# Altium PCB LimeNet-Micro_2v1.PcbDoc (part 6 of 11) (continued)
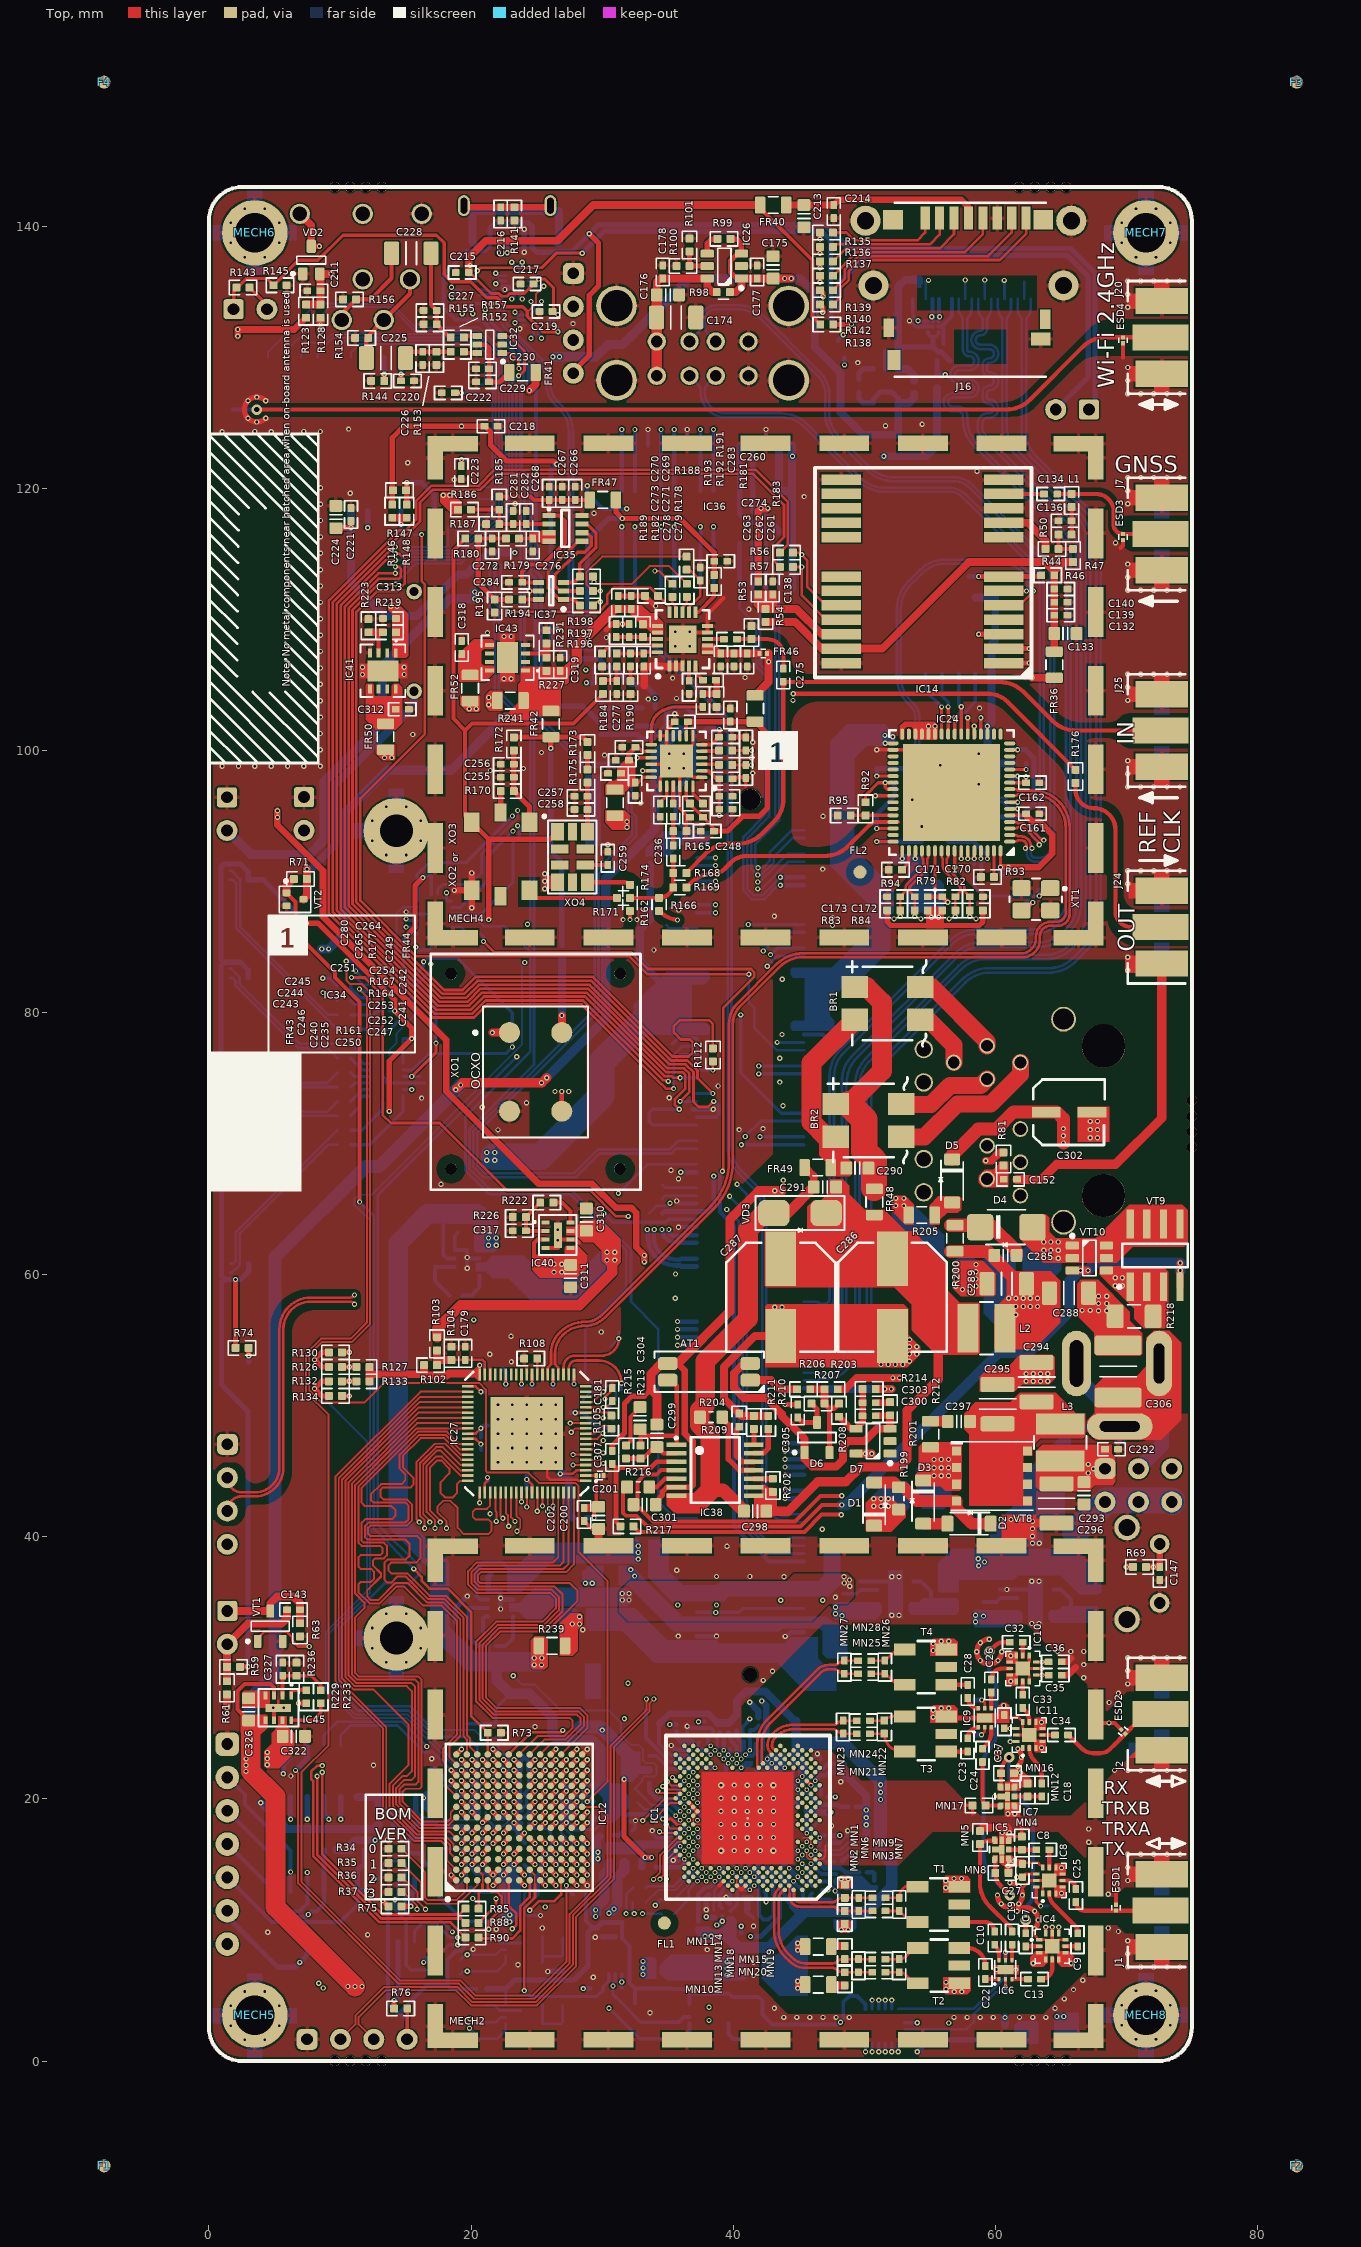
[diagram p0: Top view]
## Nets (pads, with @x,y where several pads share a name; then routed paths per layer and width w, separated by ;. In a path a pad name is that pad's centre, name@x,y a point inside that pad or via, vN(x,y) a via of type N, cw(c..) or ccw(c..) an arc to the next point about the centre after c; other vN are vias at no path point) (continued)
  other v2: 44.937,14.719 43.938,22.378 40.275,22.711 42.939,22.711 42.606,23.044 39.609,23.377
  other v3: 22.05,45.675 23.15,45.675 24.25,45.675 25.35,45.675 26.45,45.675 22.05,46.775 23.15,46.775 24.25,46.775 25.35,46.775 26.45,46.775 22.05,47.875 23.15,47.875 24.25,47.875 25.35,47.875 26.45,47.875 22.05,48.975 23.15,48.975 24.25,48.975 25.35,48.975 26.45,48.975 22.05,50.075 23.15,50.075 24.25,50.075 25.35,50.075 26.45,50.075
  other v4: 39.072,16.054 43.072,16.054 43.072,21.054 35.125,98.65 36.225,98.65 35.588,107.95 36.688,107.95 35.588,109.05 36.688,109.05
  other v6: 22.25,34.49 19.7,60.49 19.7,61.31
  other v7: 4.89,26.95 5.71,26.95 26.622,63.435
"GNSS _UART_TX": IC12.D8 IC14.20 R39.2 R56.2 | length 159.5
  Top w0.2: R56.2@44.565,115.1 45.075,115.1 v1(45.225,114.95) 45.65,114.525 45.65,112.525 47.1,111.075 IC14.20@48.253,111.075
  Top w0.4: v1(20.872,19.794) IC12.D8@21.272,19.394
  L4 w0.1: v1(23.475,76.625) 23.647,76.797 23.647,82.031 26.125,84.509 26.125,87.225 32.25,93.35 32.25,94.744 31.75,95.244 31.75,105.716 31.925,105.891 31.925,113.395 28.725,116.595 28.725,119.083 29.35,119.708 29.35,121.258 29.375,121.283 29.375,121.3 30.225,122.15 30.225,124.408 31.16,125.343 38.849,125.343 40.475,123.717 40.475,119.033 44.558,114.95 v1(45.225,114.95)
  Bottom w0.15: 17.15,25.25 20.266,25.25 R39.2@20.772,24.744 21.272,24.244 21.272,22.019 21.522,21.769 21.897,21.769 22.072,21.594 22.072,20.422 21.852,20.202 21.55,20.202 21.142,19.794 v1(20.872,19.794)
  Bottom w0.2: 17.15,25.25 15.325,27.075 11.525,27.075 10,28.6 10,33.063 13.387,36.45 15.35,36.45 16.1,37.2 16.1,37.725 12.875,40.95 12.875,66.025 v1(23.475,76.625)
GNSS_RF_IN: C134.1 ESD3.1 J7.1 L1.1 | length 10
  Top w0.325: C134.1@64.728,119.575 L1.1@65.828,119.575 67.697,119.575 cw(c67.697,118.241) 69.031,118.241 69.031,117.244 ccw(c69.75,117.244) ESD3.1@69.75,116.525 J7.1@72.6,116.525
GNSS_TPULSE: IC12.J10 IC14.3 | length 145.7
  Top w0.4: IC12.J10@25.272,20.994 v1(25.672,21.394) ; v1(58.725,108.875) IC14.3@60.653,108.875
  L3 w0.1: v1(28.75,106.15) 29.45,106.85 29.45,111.445 29.73,111.725 31.45,111.725 33.8,114.075 34.325,114.075 42.387,106.013 44.536,106.013 45.904,104.644 54.031,104.644 57.175,101.5 58.545,101.5 59.45,102.405 59.45,108.15 v1(58.725,108.875)
  L4 w0.1: v1(25.672,21.394) 26.028,21.75 26.523,21.75 26.872,22.099 26.872,24.274 30.916,28.318 30.916,52.041 31.85,52.975 31.85,62.575 30.475,63.95 30.475,66.959 26.775,70.659 26.775,71.7 22.732,75.743 22.732,81.399 25.925,84.592 25.925,87.392 26.311,87.779 26.636,88.103 26.636,102.311 29.15,104.825 29.15,105.75 v1(28.75,106.15)
GNSS_UART_RX: IC12.L12 IC14.21 R57.1 | length 142.2
  Top w0.2: R57.1@44.565,114 v1(45.225,114) 45.225,111.85 47.1,109.975 IC14.21@48.253,109.975
  Top w0.4: IC12.L12@26.872,22.594 v1(27.272,22.994)
  L4 w0.1: v1(27.272,22.994) 27.272,24.14 31.116,27.984 31.116,31.571 31.116,51.941 32.05,52.875 32.05,62.684 30.675,64.059 30.675,67.042 26.975,70.742 26.975,71.859 23.847,74.987 23.847,81.948 26.325,84.426 26.325,87.142 32.45,93.267 32.45,94.826 31.95,95.326 31.95,105.633 32.125,105.808 32.125,113.478 28.925,116.678 28.925,119 29.55,119.625 29.55,121.175 30.425,122.05 30.425,124.325 31.243,125.143 38.766,125.143 40.275,123.634 40.275,118.95 v1(45.225,114)
GNSS_USB_D_N: IC14.5 R96.2 | length 34.6
  Top w0.2: IC14.5@60.653,111.075 61.847,111.075 62.9,112.128 v1(62.9,112.175)
  Bottom w0.2: R96.2@58.825,95.7 58.637,95.888 ccw(c58.125,95.376) 58.125,96.1 cw(c58.125,98.09) 56.718,96.683 54.43,98.971 cw(c55.709,100.25) 53.9,100.25 53.9,102.495 ccw(c52.62,102.495) 53.525,103.4 53.332,103.593 cw(c55.34,105.601) 52.5,105.601 52.5,110.848 cw(c55.34,110.848) 53.332,112.856 54.288,113.812 cw(c56.069,112.031) 56.069,114.55 60.65,114.55 cw(c60.65,112.439) 62.142,113.932 62.387,113.687 cw(c61.413,112.713) 62.791,112.713 62.791,112.439 ccw(c63.164,112.439) v1(62.9,112.175)
GNSS_USB_D_P: IC14.6 R97.2 | length 32.2
  Top w0.2: IC14.6@60.653,112.175 v1(62.381,112.175)
  Bottom w0.2: R97.2@58.825,96.8 58.637,96.612 cw(c58.125,97.124) 58.125,96.4 cw(c58.125,98.09) 56.93,96.895 54.642,99.183 cw(c55.709,100.25) 54.2,100.25 54.2,102.495 ccw(c52.62,102.495) 53.737,103.612 53.544,103.805 cw(c55.34,105.601) 52.8,105.601 52.8,110.848 cw(c55.34,110.848) 53.544,112.644 54.5,113.6 cw(c56.069,112.031) 56.069,114.25 60.65,114.25 cw(c60.65,112.439) 61.93,113.72 62.175,113.475 cw(c61.413,112.713) 62.491,112.713 62.491,112.439 cw(c62.117,112.439) v1(62.381,112.175)
GNSS_USB_VDD: IC14.7 R46.1 R49.1 | length 5.5
  Top w0.4: v1(58.725,113.275) IC14.7@60.653,113.275 R46.1@63.5,113.275
  Bottom w0.4: R49.1@57.975,113.275 v1(58.725,113.275)
GNSS_VCC_RF: IC14.9 R44.2 | length 4.4
  Top w0.6: IC14.9@60.653,117.375 62.487,117.375 63.828,116.034 R44.2@63.828,115.375
HDMI_CEC: J13.171 R150.2 VT7.S | length 105.8
  L4 w0.1: v1(40.3,66.9) 40.3,67.217 43.112,70.029 43.112,76.471 39.962,79.621 39.962,88.379 40.362,88.779 40.362,95.571 39.787,96.146 39.787,100.504 40.362,101.079 40.362,105.717 48.787,114.142 48.787,124.154 53.308,128.675 v1(56.175,128.675)
  Bottom w0.2: v1(40.3,66.9) 41.025,66.175 41.025,41.25 42.5,39.775 44.075,39.775 44.225,39.925 J13.171@45.4,39.925
  Bottom w0.4: VT7.S@55.56,129.735 R150.2@55.56,128.675 v1(56.175,128.675)
HDMI_CEC_C: J19.13 VD1.A2 VT7.D | length 4.1
  Bottom w0.3: VD1.A2@55.65,132.35 55.9,132.35 ; VT7.D@56.05,131.025 56.05,131.075 56.05,132.2 55.9,132.35 ; J19.13@56.7,134.45 56.7,133.15 55.9,132.35
HDMI_CLK_N: J13.111 J19.12 | length 98.6
  Bottom w0.2: J13.111@45.4,57.925 46.316,57.925 cw(c46.316,57.481) 46.63,57.795 46.972,57.795 ccw(c46.972,58.173) 47.35,58.173 47.35,75.138 cw(c50.23,75.138) 48.194,77.174 56.516,85.496 cw(c58.552,83.46) 58.552,86.34 62.888,86.34 ccw(c62.888,88.88) 64.684,87.084 64.9,87.3 ccw(c63.693,88.507) 65.4,88.507 65.4,115.148 ccw(c62.86,115.148) 64.656,116.944 58.374,123.226 cw(c60.41,125.263) 58.372,123.228 cw(c60.41,125.263) 57.53,125.263 57.53,125.533 ccw(c57.176,125.533) 57.176,125.887 56.754,125.887 cw(c56.754,126.581) 56.754,127.275 58.036,127.275 ccw(c58.036,127.629) 58.39,127.629 ccw(c58.036,127.629) 58.036,127.983 57.269,127.983 cw(c57.269,128.677) 57.269,129.371 58.036,129.371 ccw(c58.036,129.725) 58.39,129.725 ccw(c58.036,129.725) 58.036,130.079 cw(c58.036,130.585) 57.53,130.585 57.53,132.97 cw(c58.327,133.767) 57.2,133.767 J19.12@57.2,134.45
HDMI_CLK_P: J13.113 J19.10 | length 99.1
  Bottom w0.2: J13.113@45.4,57.325 46.316,57.325 ccw(c46.316,57.769) 46.63,57.455 46.972,57.455 ccw(c46.972,58.173) 47.69,58.173 47.69,75.138 cw(c50.23,75.138) 48.434,76.934 56.756,85.256 cw(c58.552,83.46) 58.552,86 62.888,86 ccw(c62.888,88.88) 64.924,86.844 65.14,87.06 ccw(c63.693,88.507) 65.74,88.507 65.74,115.148 ccw(c62.86,115.148) 64.896,117.184 58.614,123.467 cw(c60.41,125.263) 57.87,125.263 57.87,125.533 ccw(c57.176,125.533) 57.176,126.227 56.754,126.227 cw(c56.754,126.581) 56.754,126.935 58.036,126.935 ccw(c58.036,127.629) 58.73,127.629 ccw(c58.036,127.629) 58.036,128.323 57.269,128.323 cw(c57.269,128.677) 57.269,129.031 58.036,129.031 ccw(c58.036,129.725) 58.73,129.725 ccw(c58.036,129.725) 58.036,130.419 cw(c58.036,130.585) 57.87,130.585 57.87,132.97 ccw(c57.073,133.767) 58.2,133.767 J19.10@58.2,134.45
HDMI_D0_N: J13.117 J19.9 | length 99.2
  Bottom w0.2: J13.117@45.4,56.125 46.316,56.125 cw(c46.316,55.681) 46.63,55.995 46.972,55.995 ccw(c46.972,57.323) 48.3,57.323 48.3,74.848 cw(c50.84,74.848) 49.044,76.644 56.921,84.521 cw(c58.958,82.485) 58.958,85.365 63.338,85.365 ccw(c63.338,87.905) 65.134,86.109 65.456,86.431 ccw(c63.66,88.227) 66.2,88.227 66.2,115.621 ccw(c63.66,115.621) 65.456,117.417 58.952,123.921 cw(c59.655,124.625) 58.66,124.625 58.66,124.925 cw(c59.468,124.925) 59.468,125.733 59.536,125.733 ccw(c59.536,126.087) 59.89,126.087 ccw(c59.536,126.087) 59.536,126.441 cw(c59.536,126.947) 59.03,126.947 59.03,127.323 cw(c59.536,127.323) 59.536,127.829 ccw(c59.536,128.183) 59.89,128.183 ccw(c59.536,128.183) 59.536,128.537 cw(c59.536,129.043) 59.03,129.043 59.03,129.419 cw(c59.536,129.419) 59.536,129.925 ccw(c59.536,130.279) 59.89,130.279 ccw(c59.536,130.279) 59.536,130.633 58.864,130.633 cw(c58.864,131.327) 58.864,132.021 ccw(c58.864,132.187) 59.03,132.187 59.03,132.97 cw(c59.827,133.767) 58.7,133.767 J19.9@58.7,134.45
HDMI_D0_P: J13.119 J19.7 | length 99.7
  Bottom w0.2: J13.119@45.4,55.525 46.316,55.525 ccw(c46.316,55.969) 46.63,55.655 46.972,55.655 ccw(c46.972,57.323) 48.64,57.323 48.64,74.566 cw(c51.52,74.566) 49.484,76.603 57.162,84.281 cw(c58.958,82.485) 58.958,85.025 63.338,85.025 ccw(c63.338,87.905) 65.374,85.869 65.696,86.191 ccw(c63.66,88.227) 66.54,88.227 66.54,115.621 ccw(c63.66,115.621) 65.696,117.657 59.192,124.162 cw(c59.655,124.625) 59,124.625 59,124.925 cw(c59.468,124.925) 59.468,125.393 59.536,125.393 ccw(c59.536,126.087) 60.23,126.087 ccw(c59.536,126.087) 59.536,126.781 cw(c59.536,126.947) 59.37,126.947 59.37,127.323 cw(c59.536,127.323) 59.536,127.489 ccw(c59.536,128.183) 60.23,128.183 ccw(c59.536,128.183) 59.536,128.877 cw(c59.536,129.043) 59.37,129.043 59.37,129.419 cw(c59.536,129.419) 59.536,129.585 ccw(c59.536,130.279) 60.23,130.279 ccw(c59.536,130.279) 59.536,130.973 58.864,130.973 cw(c58.864,131.327) 58.864,131.681 ccw(c58.864,132.187) 59.37,132.187 59.37,132.97 ccw(c58.573,133.767) 59.7,133.767 J19.7@59.7,134.45
HDMI_D1_N: J13.123 J19.6 | length 96.5
  Bottom w0.2: J13.123@45.4,54.325 46.316,54.325 cw(c46.316,53.881) 46.63,54.195 46.972,54.195 ccw(c46.972,56.523) 49.3,56.523 49.3,74.488 cw(c52.18,74.488) 50.142,76.523 cw(c52.18,74.488) 50.144,76.524 57.191,83.571 cw(c59.227,81.535) 59.227,84.415 63.859,84.415 ccw(c63.859,86.955) 65.655,85.159 66.156,85.66 ccw(c64.36,87.456) 66.9,87.456 66.9,116.148 ccw(c64.36,116.148) 66.156,117.944 61.374,122.726 cw(c63.41,124.763) 60.53,124.763 60.53,132.97 cw(c61.327,133.767) 60.2,133.767 J19.6@60.2,134.45
HDMI_D1_P: J13.125 J19.4 | length 97.1
  Bottom w0.2: J13.125@45.4,53.725 46.316,53.725 ccw(c46.316,54.169) 46.63,53.855 46.972,53.855 ccw(c46.972,56.523) 49.64,56.523 49.64,74.488 cw(c52.18,74.488) 50.384,76.284 57.431,83.331 cw(c59.227,81.535) 59.227,84.075 63.859,84.075 ccw(c63.859,86.955) 65.896,84.919 66.396,85.419 ccw(c64.36,87.456) 67.24,87.456 67.24,116.148 ccw(c64.36,116.148) 66.396,118.184 61.614,122.967 cw(c63.41,124.763) 60.87,124.763 60.87,132.97 ccw(c60.073,133.767) 61.2,133.767 J19.4@61.2,134.45
HDMI_D2_N: J13.129 J19.3 | length 98.3
  Bottom w0.2: J13.129@45.4,52.525 46.316,52.525 cw(c46.316,52.081) 46.63,52.395 47,52.395 ccw(c47,54.402) 48.419,52.983 49.442,54.006 ccw(c47.646,55.802) 50.186,55.802 50.186,74.049 cw(c53.066,74.049) 51.029,76.085 57.491,82.546 cw(c59.527,80.51) 59.527,83.39 64.088,83.39 ccw(c64.088,85.93) 65.884,84.134 66.956,85.206 ccw(c65.16,87.002) 67.7,87.002 67.7,116.348 ccw(c65.16,116.348) 66.956,118.144 62.874,122.226 cw(c64.91,124.263) 62.03,124.263 62.03,132.97 cw(c62.827,133.767) 61.7,133.767 J19.3@61.7,134.45
HDMI_D2_P: J13.131 J19.1 | length 98.8
  Bottom w0.2: J13.131@45.4,51.925 46.316,51.925 ccw(c46.316,52.369) 46.63,52.055 47.141,52.055 ccw(c47.141,54.062) 48.56,52.643 49.682,53.765 ccw(c47.646,55.802) 50.526,55.802 50.526,74.049 cw(c53.066,74.049) 51.27,75.845 57.731,82.306 cw(c59.527,80.51) 59.527,83.05 64.088,83.05 ccw(c64.088,85.93) 66.124,83.894 67.196,84.966 ccw(c65.16,87.002) 68.04,87.002 68.04,116.348 ccw(c65.16,116.348) 67.196,118.384 63.114,122.467 cw(c64.91,124.263) 62.37,124.263 62.37,132.97 ccw(c61.573,133.767) 62.7,133.767 J19.1@62.7,134.45
HDMI_HPD: J19.19 VD1.C3 VT6.G | length 9.4
  L3 w0.3: v1(48.405,131.725) 53.025,131.725 v1(54.1,132.8)
  Bottom w0.3: VT6.G@48.003,131.233 48.003,131.323 v1(48.405,131.725) ; J19.19@53.7,134.45 53.7,133.2 54.15,132.75 VD1.C3@54.85,132.75
HDMI_HPD_N: J13.88 R151.2 VT6.D | length 73.5
  L4 w0.1: v1(38.525,67.525) 38.525,69.775 39.35,70.6 39.35,88.642 39.75,89.042 39.75,95.298 39.175,95.873 39.175,100.764 39.75,101.339 39.75,105.992 48.175,114.417 48.175,129.107 v1(48.493,129.425)
  Bottom w0.35: R151.2@34.575,64.675 34.725,64.825 J13.88@37.2,64.825 38.175,64.825 38.525,65.175 v1(38.525,67.525)
  Bottom w0.4: v1(48.493,129.425) VT6.D@48.493,129.943
HDMI_I2C_SCL: J13.175 J19.15 VD1.A3 | length 110.9
  L4 w0.1: v1(39.5,64.975) 39.375,65.1 39.375,66.875 42.7,70.2 42.7,76.3 39.55,79.45 39.55,88.55 39.95,88.95 39.95,95.4 39.375,95.975 39.375,100.675 39.95,101.25 39.95,105.888 48.375,114.313 48.375,124.325 54.8,130.75 54.8,133.245 55.005,133.45 55.4,133.45 v1(55.75,133.1)
  Bottom w0.2: v1(39.5,64.975) 40.425,64.05 40.425,41.001 42.701,38.725 J13.175@45.4,38.725
  Bottom w0.3: VD1.A3@55.65,132.75 55.65,133.2 v1@55.7,133.25 ; 55.7,133.3 J19.15@55.7,134.45
HDMI_I2C_SDA: J13.173 J19.16 VD1.B3 | length 109
  L4 w0.1: v1(39.725,65.98) 39.725,66.925 42.912,70.112 42.912,76.388 39.762,79.538 39.762,88.462 40.162,88.862 40.162,95.488 39.587,96.063 39.587,100.587 40.162,101.162 40.162,105.8 48.587,114.225 48.587,124.237 55.15,130.8 v1(55.15,133.1)
  Bottom w0.2: v1(39.725,65.98) 40.725,64.98 40.725,41.126 42.526,39.325 J13.173@45.4,39.325
  Bottom w0.3: v1@55.2,133.25 55.25,133.2 VD1.B3@55.25,132.75 ; 55.2,133.3 J19.16@55.2,134.45
LM75_OS: IC12.H2 IC13.3 R43.1 | length 17.6
  Top w0.1: 24.872,13.475 24.872,14.194
  Top w0.15: IC12.H2@24.472,14.594 24.872,14.194
  Top w0.2: v1(24.05,5.375) 24.05,11.65 24.872,12.472 24.872,13.475
  Bottom w0.25: v1(24.05,5.375) 24.5,4.925 29.587,4.925 30.075,5.413 R43.1@30.075,5.525 30.075,5.675 30.5,6.1 IC13.3@30.5,6.675
LMK_CLK: IC12.H6 IC34.15 | length 95.5
  Top w0.25: v1(32.663,99.45) IC34.15@33.75,99.45
  Top w0.4: IC12.H6@24.472,17.794 v1(24.872,18.194)
  L4 w0.1: v1(24.872,18.194) 25.322,18.644 25.322,19.172 25.525,19.375 25.875,19.375 26.075,19.575 26.075,19.892 26.383,20.2 27.373,20.2 27.622,20.449 27.622,20.639 27.927,20.944 28.117,20.944 28.522,21.349 28.522,21.539 28.727,21.744 28.917,21.744 32.675,25.502 32.675,35.951 31.55,37.076 31.55,50.825 32.475,51.75 32.475,63.458 31.658,64.275 31.658,64.289 31.65,64.297 31.65,66.35 27.175,70.825 27.175,71.942 24.047,75.07 24.047,81.865 26.525,84.344 26.525,87.059 32.65,93.184 32.65,94.909 32.175,95.384 32.175,98.962 v1(32.663,99.45)
LMS_CORE_LDO_EN: IC1.U33 IC17.5 R5.1 | length 101.8
  Top w0.2: v1(10.875,82.675) 11.872,82.675 13.25,81.297 13.25,72.2 13.875,71.575 17.604,71.575 22.754,66.425 29.1,66.425 31.075,64.45 v1(32,64.45)
  L4 w0.1: v1(32,64.45) 32.675,63.775 32.675,51.667 31.75,50.742 31.75,37.159 32.875,36.034 32.875,24.902 28.917,20.944 28.727,20.944 28.422,20.639 28.422,20.449 28.117,20.144 27.927,20.144 27.697,19.914 27.697,19.6 27.541,19.444 26.269,19.444 26.022,19.197 26.022,18.03 26.269,17.783 29.108,17.783 30.669,19.344 34.456,19.344 35.418,18.382 v2(35.946,18.382)
  Bottom w0.2: v1(10.875,82.675) 11.225,82.675 11.775,82.125 IC17.5@12.208,82.125 ; R5.1@32.722,19.694 33.197,19.219 34.579,19.219 35.458,18.34 35.904,18.34 v2(35.946,18.382)
LMS_DIQ1_D0: IC1.AG31 IC12.N12 | length 12.6
  Top w0.4: IC12.N12@28.472,22.594 v1(28.872,22.994)
  L3 w0.1: v1(28.872,22.994) 29.272,23.394 29.272,23.975 29.54,24.244 33.197,24.244 33.472,23.969 33.472,22.544 33.597,22.419 33.972,22.419 34.072,22.519 34.072,23.094 34.222,23.244 34.489,23.244 34.722,23.011 34.722,22.569 34.872,22.419 36.447,22.419 36.612,22.254 v2(36.612,21.712)
LMS_DIQ1_D1: IC1.AF30 IC12.M12 | length 12.5
  Top w0.4: IC12.M12@27.672,22.594 v1(28.072,22.994)
  L3 w0.1: v1(28.072,22.994) 28.522,23.444 28.522,23.961 29.005,24.444 33.572,24.444 35.397,22.619 36.831,22.619 37.27,22.179 37.27,21.704 v2(36.945,21.379)
LMS_DIQ1_D2: IC1.AF34 IC12.N11 | length 13.1
  Top w0.2: v1@35.361,21.63 35.365,21.627 IC1.AF34@35.613,21.379
  Top w0.4: IC12.N11@28.472,21.794 v1(28.872,22.194)
  L3 w0.1: v1(28.872,22.194) 29.647,22.194 29.772,22.319 29.772,23.011 29.93,23.169 30.147,23.169 30.159,23.156 30.322,22.994 30.322,22.369 30.497,22.194 30.714,22.194 30.872,22.352 30.872,23.644 31.072,23.844 32.847,23.844 33.072,23.619 33.072,22.794 32.647,22.369 32.647,22.094 32.822,21.919 33.372,21.919 33.61,21.68 34.101,21.68 34.439,22.019 34.98,22.019 v1(35.368,21.63)
LMS_DIQ1_D3: IC1.AE31 IC12.L10 | length 13.3
  Top w0.4: IC12.L10@26.872,20.994 v1(27.272,21.394)
  L3 w0.1: v1(27.272,21.394) 27.672,21.794 28.189,21.794 28.522,22.127 28.522,22.339 28.752,22.569 29.047,22.569 30.522,24.044 32.931,24.044 33.272,23.703 33.272,22.461 33.514,22.219 35.347,22.219 35.772,21.794 35.772,21.426 36.152,21.046 v2(36.612,21.046)
LMS_DIQ1_D4: IC1.AD30 IC12.N9 | length 13.3
  Top w0.4: IC12.N9@28.472,20.194 v1(28.872,20.594)
  L3 w0.1: v1(28.872,20.594) 28.997,20.594 29.497,21.094 30.147,21.094 30.322,20.919 30.322,20.369 30.447,20.244 30.772,20.244 30.872,20.344 30.872,21.261 30.955,21.344 31.314,21.344 31.397,21.261 31.397,20.494 31.647,20.244 31.872,20.244 32.022,20.394 32.022,20.894 32.197,21.069 33.048,21.069 33.873,20.244 34.414,20.244 35.339,21.169 35.647,21.169 35.797,21.019 35.797,20.705 35.922,20.58 36.214,20.58 36.347,20.713 v2(36.945,20.713)
LMS_DIQ1_D5: IC1.AC29 IC12.M13 | length 13.4
  Top w0.4: IC12.M13@27.672,23.394 v1(28.072,23.794)
  L3 w0.1: v1(28.072,23.794) 28.922,24.644 33.655,24.644 35.43,22.869 36.872,22.869 37.603,22.138 37.603,20.705 v2(37.278,20.38)
LMS_DIQ1_D6: IC1.AE33 IC12.M10 | length 13.4
  Top w0.15: v1(34.968,21.33) 35.27,21.029 35.946,21.029 IC1.AE33@35.946,21.046
  Top w0.4: IC12.M10@27.672,20.994 v1(28.072,21.394)
  L3 w0.1: v1(28.072,21.394) 28.497,21.819 29.014,21.819 29.164,21.969 29.705,21.969 29.93,22.194 30.214,22.194 30.439,21.969 30.772,21.969 31.072,22.269 31.072,23.494 31.222,23.644 32.722,23.644 32.872,23.494 32.872,22.877 32.447,22.452 32.447,21.844 32.622,21.669 33.297,21.669 33.722,21.244 33.947,21.244 34.397,21.694 34.605,21.694 v1(34.968,21.33) v1@34.943,21.305
LMS_DIQ1_D7: IC1.AD32 IC12.N10 | length 12.5
  Top w0.11: 35.671,20.713 IC1.AD32@36.279,20.713
  Top w0.15: v1(34.618,20.955) 34.861,20.713 35.671,20.713
  Top w0.4: IC12.N10@28.472,20.994 v1(28.872,21.394)
  L3 w0.1: v1(28.872,21.394) 29.247,21.769 29.647,21.769 29.922,21.494 30.172,21.494 30.447,21.769 31.122,21.769 31.272,21.919 31.272,23.319 31.397,23.444 32.522,23.444 32.672,23.294 32.672,22.96 32.247,22.535 32.247,21.761 32.539,21.469 33.214,21.469 33.727,20.955 v1(34.618,20.955)
LMS_DIQ1_D8: IC1.AC31 IC12.M8 | length 12.9
  Top w0.4: IC12.M8@27.672,19.394 v1(28.072,19.794)
  L3 w0.1: v1(28.072,19.794) 28.072,20.119 28.197,20.244 29.017,20.244 29.667,20.894 30.022,20.894 30.122,20.794 30.122,20.069 30.269,19.922 30.75,19.922 31.118,20.29 31.318,20.29 31.689,19.919 32.097,19.919 32.222,20.044 32.222,20.744 32.347,20.869 32.966,20.869 33.222,20.612 33.222,20.094 33.397,19.919 34.372,19.919 34.833,20.38 35.111,20.38 35.497,19.994 35.711,19.994 36.097,20.38 v2(36.612,20.38)
LMS_DIQ1_D9: IC1.AC33 IC12.M9 | length 13
  Top w0.15: v1(34.243,20.605) 34.386,20.463 35.863,20.463 IC1.AC33@35.946,20.38
  Top w0.4: IC12.M9@27.672,20.194 v1(28.072,20.594)
  L3 w0.1: v1(28.072,20.594) 28.072,20.894 28.172,20.994 28.967,20.994 29.267,21.294 30.255,21.294 30.53,21.569 31.205,21.569 31.472,21.836 31.472,23.069 31.647,23.244 32.197,23.244 32.347,23.094 32.347,22.917 32.047,22.617 32.047,21.469 32.247,21.269 33.131,21.269 33.795,20.605 v1(34.243,20.605)
LMS_DIQ1_D10: IC1.AB30 IC12.K6 | length 12.6
  Top w0.4: IC12.K6@26.072,17.794 v1(26.472,18.194)
  L3 w0.1: v1(26.472,18.194) 26.472,18.189 26.961,17.7 27.4,17.7 27.722,18.022 27.722,18.397 27.9,18.575 28.2,18.575 28.45,18.825 28.45,19.15 28.694,19.394 29.047,19.394 29.375,19.722 31.603,19.722 31.606,19.719 36.617,19.719 v2(36.945,20.047)
LMS_DIQ1_D11: IC1.AB32 IC12.K7 | length 11.9
  Top w0.4: IC12.K7@26.072,18.594 v1(26.472,18.994)
  L4 w0.1: v1(26.472,18.994) 26.866,18.6 28.35,18.6 28.522,18.772 28.522,19.939 28.75,20.167 28.75,20.175 30.375,20.175 30.503,20.047 v2(36.279,20.047)
LMS_DIQ2_D0: IC1.H30 IC12.M1 | length 14.1
  Top w0.4: IC12.M1@27.672,13.794 v1(28.072,13.394)
  L4 w0.1: v1(28.072,13.394) 28.072,13.028 28.256,12.844 29.1,12.844 29.531,13.275 29.9,13.275 30.1,13.475 30.1,13.844 30.256,14 31,14 31.125,13.875 31.125,13.45 31.3,13.275 31.9,13.275 32.05,13.425 32.05,14.4 32.25,14.6 32.55,14.6 32.7,14.45 32.7,14.175 32.835,14.04 33.285,14.04 33.475,14.23 33.475,14.725 33.675,14.925 33.95,14.925 34.227,14.648 34.502,14.648 34.778,14.925 35.091,14.925 35.572,14.444 35.807,14.444 36.748,15.385 v2(36.945,15.385)
LMS_DIQ2_D1: IC1.J31 IC12.L5 | length 14.8
  Top w0.4: IC12.L5@26.872,16.994 v1(27.272,16.594)
  L4 w0.1: v1(27.272,16.594) 27.272,16.291 27.622,15.941 27.622,15.647 27.375,15.4 27.072,15.4 26.922,15.25 26.922,14.819 27.197,14.544 27.417,14.544 27.672,14.289 27.672,13.969 27.897,13.744 28.217,13.744 28.422,13.539 28.422,13.327 28.705,13.044 29.017,13.044 30.173,14.2 31.55,14.2 32.475,15.125 34.685,15.125 35.278,15.718 v2(36.612,15.718)
LMS_DIQ2_D2: IC1.K30 IC12.K2 | length 14.3
  Top w0.4: IC12.K2@26.072,14.594 v1(26.472,14.194)
  L4 w0.1: v1(26.472,14.194) 26.897,13.769 27.392,13.769 27.622,13.539 27.622,13.019 27.997,12.644 29.183,12.644 29.614,13.075 31.983,13.075 32.733,13.825 33.353,13.825 33.772,14.244 35.935,14.244 36.751,15.06 37.08,15.06 37.293,15.274 37.293,15.702 v2(36.945,16.051)
LMS_DIQ2_D3: IC1.K32 IC12.M2 | length 14.1
  Top w0.4: IC12.M2@27.672,14.594 v1(28.072,14.194)
  L4 w0.1: v1(28.072,14.194) 28.484,13.781 29.231,13.781 29.375,13.925 29.375,14.275 29.519,14.419 30.627,14.419 30.983,14.775 31.825,14.775 32.125,15.075 32.125,15.425 31.792,15.758 31.175,15.758 30.791,16.141 30.791,16.441 30.894,16.544 31.683,16.544 31.952,16.275 33.525,16.275 34.425,15.375 34.652,15.375 35.328,16.051 v2(36.279,16.051)
LMS_DIQ2_D4: IC1.L31 IC12.M4 | length 14.3
  Top w0.4: IC12.M4@27.672,16.194 v1(28.072,15.794)
  L4 w0.1: v1(28.072,15.794) 27.697,15.419 27.697,14.769 27.847,14.619 30.544,14.619 30.975,15.05 30.975,15.675 30.325,16.325 30.325,16.6 30.469,16.744 31.766,16.744 32.034,16.475 33.608,16.475 34.189,15.894 34.888,15.894 35.738,16.744 36.252,16.744 v2(36.612,16.384)
LMS_DIQ2_D5: IC1.K34 IC12.J1 | length 14.1
  Top w0.15: v1(34.918,13.88) 34.918,15.356 IC1.K34@35.613,16.051
  Top w0.4: IC12.J1@25.272,13.794 v1(25.672,13.394)
  L4 w0.1: v1(25.672,13.394) 27.341,11.725 29.112,11.725 29.862,12.475 32.231,12.475 32.906,13.15 34.625,13.15 34.918,13.443 v1(34.918,13.88)
LMS_DIQ2_D6: IC1.M30 IC12.L2 | length 14.7
  Top w0.4: IC12.L2@26.872,14.594 v1(27.272,14.194)
  L3 w0.1: v1(27.272,14.194) 27.647,13.819 27.647,13.302 27.93,13.019 28.297,13.019 28.447,13.169 28.447,13.694 28.572,13.819 28.972,13.819 29.691,13.1 32.275,13.1 33.475,14.3 35.025,14.3 35.3,14.575 35.3,14.946 35.05,15.196 35.05,16.1 35.667,16.717 v2(36.945,16.717)
LMS_DIQ2_D7: IC1.M32 IC12.K1 | length 14.2
  Top w0.11: 35.775,16.717 IC1.M32@36.279,16.717
  Top w0.15: v1(34.418,13.88) 34.418,13.911 34.668,14.161 34.668,15.611 35.775,16.717
  Top w0.4: IC12.K1@26.072,13.794 v1(26.472,13.394)
  L4 w0.1: v1(26.472,13.394) 26.472,12.877 27.424,11.925 29.029,11.925 29.779,12.675 32.149,12.675 32.824,13.35 33.963,13.35 34.418,13.805 v1(34.418,13.88)
LMS_DIQ2_D8: IC1.N31 IC12.N4 | length 14
  Top w0.4: IC12.N4@28.472,16.194 v1(28.872,15.794)
  L4 w0.1: v1@28.872,15.802 v1(28.872,15.794) 28.872,15.503 29.55,14.825 30.45,14.825 30.775,15.15 30.775,15.592 30.092,16.275 29.45,16.275 29.25,16.475 29.25,16.775 29.419,16.944 31.848,16.944 32.04,16.752 33.631,16.752 34.289,16.094 34.805,16.094 35.761,17.05 v2(36.612,17.05)